# KiCad board QBusH723Z.kicad_pcb (continued)
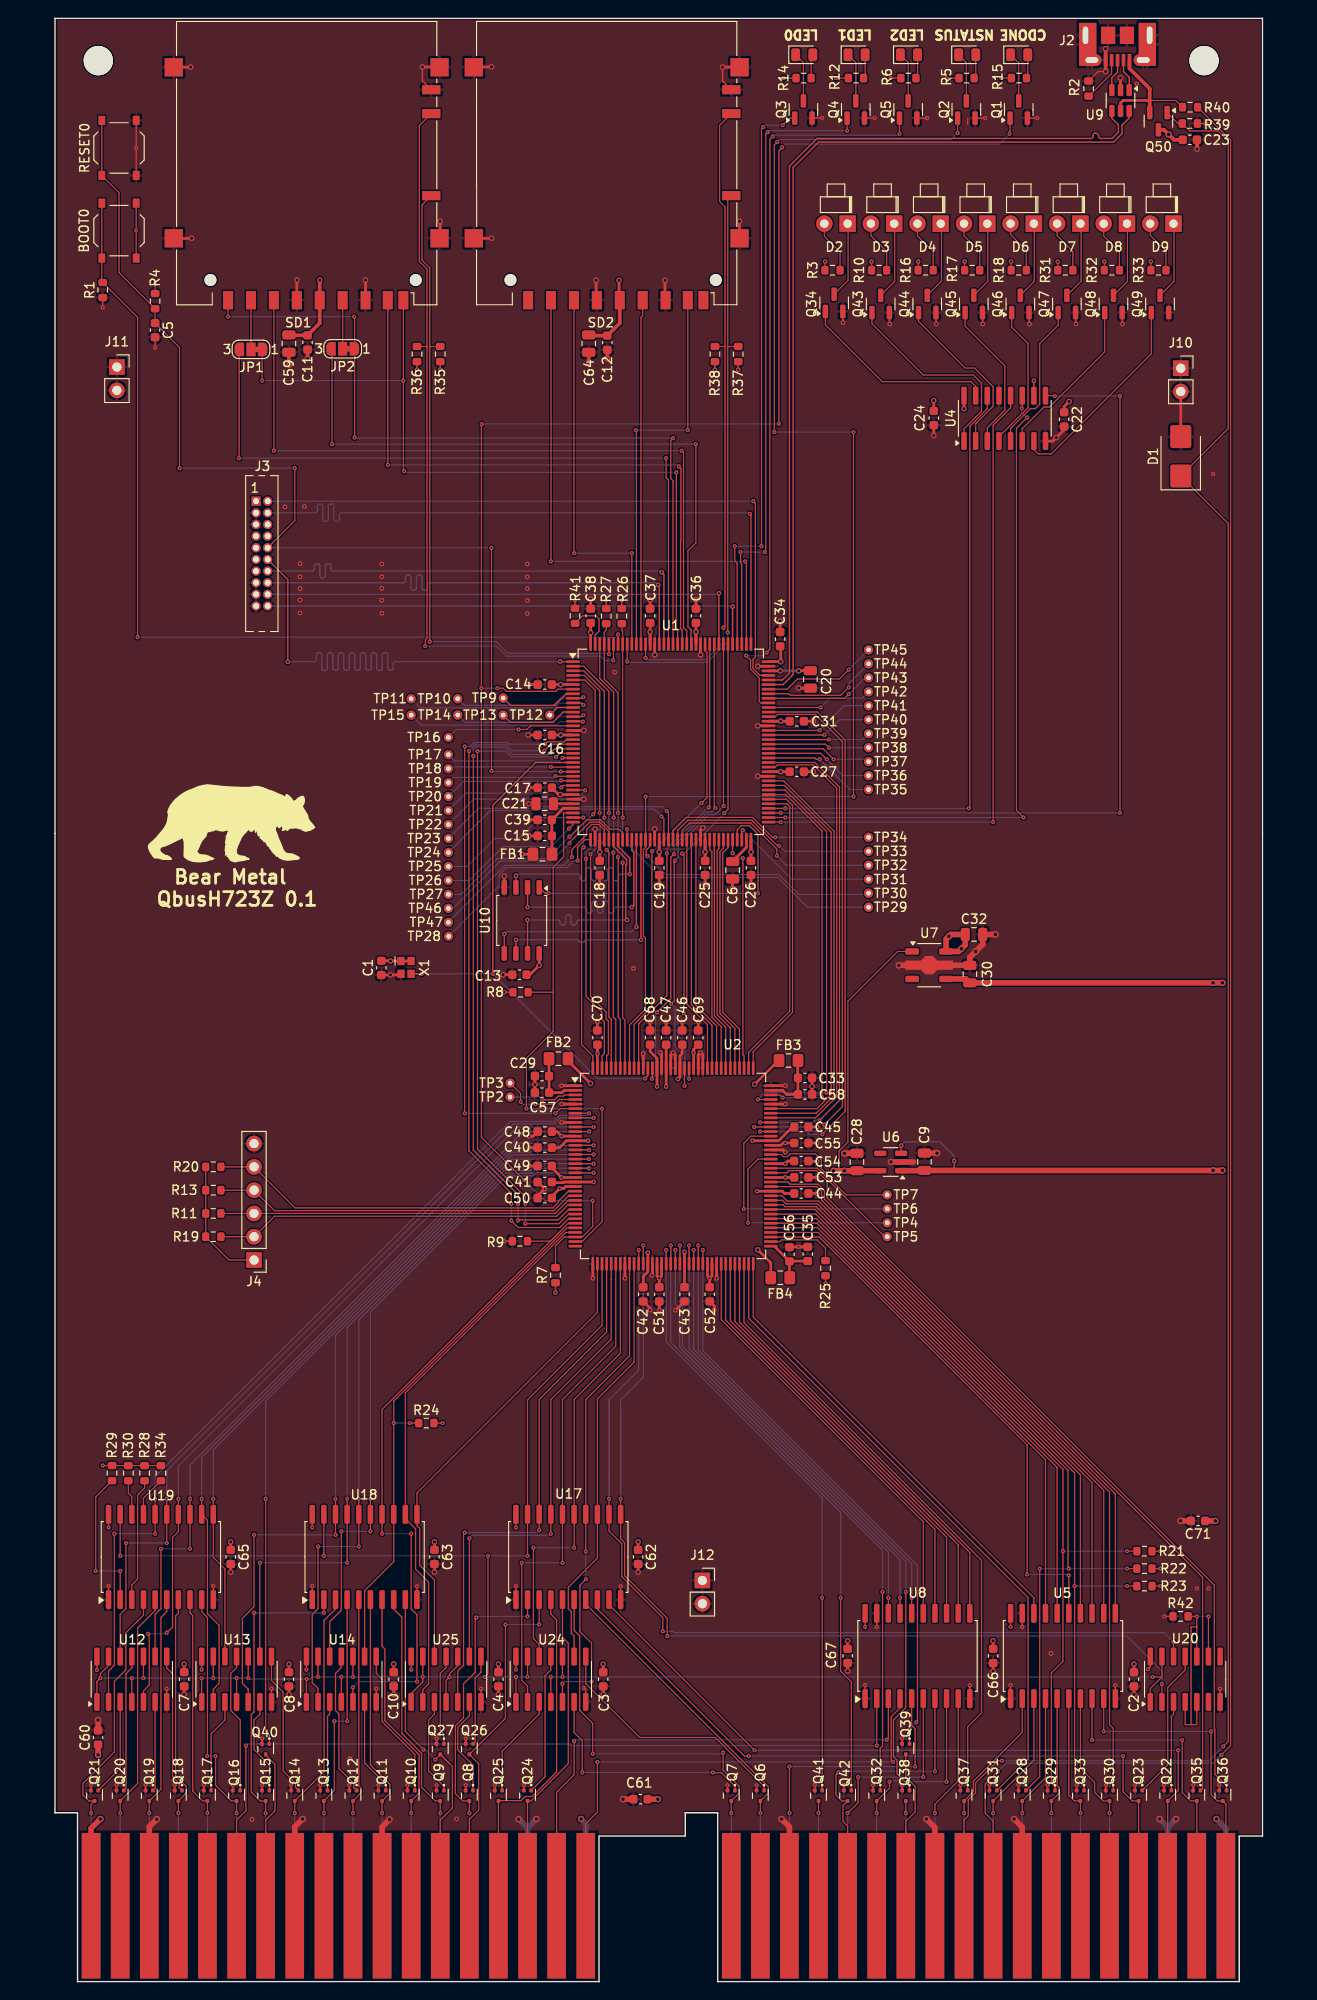
[diagram p0: board, top side]
## Routing (per net, layer and track width the routed paths; a pad name or vN(x,y) marks a point on that pad's centre or on a via; arc(x,y) is an arc through that point) (continued)
/A16: length 45.9
  Top w0.127: v3(76.69,96.21) U2.105 ; v3(84.19,96.96) 84.19,125.44 79.66,129.96 U1.80
  Bottom w0.127: v3(84.19,96.96) 77.44,96.96 v3(76.69,96.21)
/A17: length 44.8
  Top w0.127: U2.103 83.12,95.21 84.69,96.78 84.69,125.37 79.59,130.46 U1.81
/A18: length 45.9
  Top w0.127: U1.82 79.53,130.96 84.99,125.5 84.99,96.65 83.05,94.71 U2.102
/A19: length 46.4
  Top w0.127: U2.140 60.69,104.96 60.44,105.21 60.44,123.17 v3(60.2,123.41) ; U1.2 57.69,143.46 60.44,140.71 v3(60.44,127.47)
  Bottom w0.127: v3(60.44,127.47) 60.44,123.64 v3(60.2,123.41)
/A20: length 46.9
  Top w0.127: U2.141 60.19,100.96 60.38,101.16 60.38,104.77 60.13,105.02 60.13,105.77 58.44,107.46 v3(58.44,122.96) ; U1.3 57.69,142.96 59.94,140.71 v3(59.94,126.96)
  Bottom w0.127: v3(59.94,126.96) 59.94,124.47 58.44,122.97 v3(58.44,122.96)
/A21: length 46.3
  Top w0.127: v3(59.44,127.47) 59.44,140.78 57.76,142.46 U1.4 ; v3(57.94,122.46) 57.94,107.46 59.69,105.71 59.69,104.96 59.94,104.71 59.94,101.21 59.69,100.96 U2.142
  Bottom w0.127: v3(59.44,127.47) 59.44,125.97 59.47,125.93 59.47,124.68 57.94,123.14 v3(57.94,122.46)
/A22: length 45.2
  Top w0.127: U1.5 57.82,141.96 58.94,140.85 58.94,127.52 v3(58.72,127.31) ; U2.144 58.69,100.96 57.45,102.19 57.45,123.48 v3(57.69,123.71)
  Bottom w0.127: v3(57.69,123.71) 57.69,126.27 v3(58.72,127.31)
/BBS7f: length 48.2
  Top w0.127: 98.55,40.2 98.55,47.63 74.19,71.99 74.19,78.29
/BBS7g: length 69.9
  Top w0.127: 90.04,20.88 90.04,25.44 90.3,25.7 v3(90.3,42.51) ; U2.55 v3(67.69,79.8)
  Bottom w0.127: v3(67.69,79.8) 67.69,73.92 68.17,73.44 68.17,69.18 90.3,47.05 v3(90.3,42.51)
/BBS7L: length 29.5
  Top w0.127: v3(89.66,18.38) Q32.3 91.06,21.1 v3(91.06,21.81) ; U8.8 v3(97.28,21.81)
  Bottom w0.127: v3(91.06,21.81) 91.16,21.91 92.64,21.91 92.74,21.81 v3(97.28,21.81) ; 89.66,8.28 v3(89.66,18.38)
/BDAL0f: length 45.8
  Top w0.127: U17.13 59.18,46.19 56.01,43.01 56.01,40.68 56.33,40.35 56.33,37.99 56.64,37.68 56.64,35.46 ; U2.46 63.19,67.57 59.18,63.56 59.18,51.25
/BDAL0g: length 27.5
  Top w0.127: Q6.1 77.36,21.31 72.04,26.63 63.78,26.63 57.91,32.5 57.91,35.46
/BDAL0L: length 41.5
  Top w0.127: v3(76.96,18.38) Q6.3 77.83,20.57 77.83,21.28 57.91,41.19
  Bottom w0.127: J1.AU2 v3(76.96,18.38)
/BDAL1f: length 53.3
  Top w0.127: 57.91,51.25 57.91,63.49 62.69,68.26 U2.45 ; v3(57.94,43.9) 57.28,43.24 57.28,38.19 58.55,36.92 v3(58.55,32.73) ; v3(57.91,46.9) U17.14 ; U24.5 v3(55.37,32.5)
  Bottom w0.127: v3(57.91,46.9) 57.91,43.93 v3(57.94,43.9) ; v3(55.37,32.5) 55.6,32.73 v3(58.55,32.73)
/BDAL1g: length 25.8
  Top w0.127: U24.6 56.64,27.19 57.53,26.3 v3(57.53,22.82) ; v3(71.75,22.82) 71.8,22.77 72.72,22.77 74.19,21.31 Q7.1
  Bottom w0.127: v3(57.53,22.82) v3(71.75,22.82)
/BDAL1L: length 49.7
  Top w0.127: U17.6 56.64,38.32 57.25,37.71 57.25,29.6 58.67,28.18 v3(58.67,24.85) ; v3(73.79,18.38) Q7.3 74.65,20.57 74.65,21.32 72.9,23.08 v3(72.9,24.98)
  Bottom w0.127: v3(72.9,24.98) 72.77,24.85 v3(58.67,24.85) ; J1.AV2 v3(73.79,18.38)
/BDAL2f: length 58.9
  Top w0.127: 52.83,51.25 52.83,63.49 60.19,70.84 U2.40 ; 52.83,50.97 v3(52.83,49.24) ; v3(44.7,48.98) 44.58,48.86 44.58,34.51 43.94,33.87 U25.5
  Bottom w0.127: v3(44.7,48.98) 52.58,48.98 v3(52.83,49.24)
/BDAL2g: length 10.9
  Top w0.127: 45.21,30.51 45.21,28.99 43.94,27.72 43.94,25.29 45.61,23.62 Q8.1
/BDAL2L: length 40.9
  Top w0.127: v3(45.21,18.38) Q8.3 44.49,19.71 43.69,20.51 43.69,27.9 44.58,28.79 44.58,32.47 45.85,33.74 45.85,39.59 v3(45.97,39.71) ; v3(51.56,39.84) U17.2
  Bottom w0.127: v3(45.97,39.71) 46.1,39.84 v3(51.56,39.84) ; J1.BE2 v3(45.21,18.38)
/BDAL3f: length 60.1
  Top w0.127: U2.33 55.72,81.71 38.23,64.22 38.23,51.25 ; U25.2 40.13,31.84 40.77,32.47 40.77,43.56 39.34,44.98 39.34,49.39 38.23,50.51
/BDAL3g: length 10.6
  Top w0.127: Q9.1 42.44,21.31 40.77,22.98 40.77,28.54 41.4,29.17 U25.3
/BDAL3L: length 35.8
  Top w0.127: v3(42.04,18.38) Q9.3 41.49,19.71 40,21.21 40,24.91 37.85,27.06 37.85,39.75 36.96,40.64 U18.8
  Bottom w0.127: J1.BF2 v3(42.04,18.38)
/BDAL4f: length 59.5
  Top w0.127: 33.78,35.46 33.78,42.65 36.96,45.82 U18.13 v3(36.96,60.92) 36.96,63.31 55.86,82.21 U2.32 ; R24.2 v3(38.74,60.92)
  Bottom w0.127: v3(38.74,60.92) v3(36.96,60.92)
/BDAL4g: length 16.3
  Top w0.127: 39.26,20.86 39.26,24.78 35.69,28.36 35.69,32.98 35.05,33.62 35.05,35.46
/BDAL4L: length 35.4
  Top w0.127: v3(38.86,18.38) Q10.3 39.73,20.57 39.73,24.75 35.99,28.48 35.99,36.28 35.69,36.59 U18.7
  Bottom w0.127: J1.BH2 v3(38.86,18.38)
/BDAL5f: length 75.1
  Top w0.127: U14.5 v3(32.51,32.09) ; U18.14 v3(35.69,48.86) ; R9.2 54.05,80.76 54.95,81.66 ; 54.95,81.66 35.69,62.4 35.69,51.12 ; 54.95,81.66 56,82.71 U2.31 ; v3(39.5,32.73) 39.5,40.02 38.86,40.65 v3(38.86,48.86)
  Bottom w0.127: v3(32.51,32.09) 33.15,32.73 v3(39.5,32.73) ; v3(35.69,48.86) v3(38.86,48.86)
/BDAL5g: length 10.6
  Top w0.127: U14.6 33.78,23.85 36.09,21.54 Q11.1
/BDAL5L: length 34.6
  Top w0.127: U18.6 34.42,23.65 36.55,21.51 36.55,20.57 Q11.3 v3(35.69,18.38)
  Bottom w0.127: J1.BJ2 v3(35.69,18.38)
/BDAL6f: length 73.8
  Top w0.127: 34.42,51.12 v3(34.42,52.67) ; 29.97,35.46 29.97,39.25 31.24,40.52 v3(31.24,49.11) ; U2.20 v3(58.77,88.21) ; U18.15 v3(34.42,49.11)
  Bottom w0.127: v3(34.42,52.67) 34.42,73.02 49.27,87.87 52.16,87.87 52.51,88.21 v3(58.77,88.21) ; v3(34.42,49.11) v3(31.24,49.11)
/BDAL6g: length 15.8
  Top w0.127: Q12.1 32.59,21.17 32.59,21.63 30.99,23.23 30.99,29.2 30.61,29.58 30.61,33.62 31.24,34.25 31.24,35.46
/BDAL6L: length 33.8
  Top w0.127: v3(32.51,18.38) Q12.3 ; 32.52,19.71 33.38,20.56 33.38,21.14 33.15,21.36 U18.5
  Bottom w0.127: J1.BK2 v3(32.51,18.38)
/BDAL7f: length 80
  Top w0.127: 33.15,51.12 v3(33.15,52.67) ; 28.7,30.51 28.7,31.97 28.07,32.6 28.07,40.04 28.7,40.68 v3(28.7,47.46) ; U2.19 v3(58.27,88.71) ; U18.16 v3(33.15,47.46)
  Bottom w0.127: v3(33.15,52.67) 33.15,72.18 49.14,88.17 52.04,88.17 52.58,88.71 v3(58.27,88.71) ; v3(33.15,47.46) v3(28.7,47.46)
/BDAL7g: length 9.7
  Top w0.127: Q13.1 29.74,28.94 29.97,29.17 U14.3
/BDAL7L: length 35.3
  Top w0.127: v3(29.34,18.38) Q13.3 30.48,20.85 v3(30.48,28.41) ; v3(31.88,28.41) U18.4
  Bottom w0.127: J1.BL2 v3(29.34,18.38) ; v3(31.88,28.41) v3(30.48,28.41)
/BDAL8f: length 81.6
  Top w0.127: U18.17 v3(31.88,45.68) ; 22.35,35.46 v3(22.35,45.68) ; U2.18 v3(58.77,89.21) ; 31.88,51.12 v3(31.88,52.67)
  Bottom w0.127: v3(31.88,45.68) v3(22.35,45.68) ; v3(58.77,89.21) 52.64,89.21 51.91,88.48 49.02,88.48 31.88,71.34 v3(31.88,52.67)
/BDAL8g: length 15.8
  Top w0.127: 23.62,35.46 23.62,32.85 24.89,31.58 24.89,22.98 26.24,21.63 26.24,21.17 Q14.1
/BDAL8L: length 35.2
  Top w0.127: v3(26.16,18.38) Q14.3 29.35,22.9 29.35,39.39 30.61,40.64 U18.3
  Bottom w0.127: 26.16,8.28 v3(26.16,18.38)
/BDAL9f: length 86.6
  Top w0.127: 30.61,51.12 v3(30.61,52.67) ; U2.17 v3(58.27,89.71) ; U13.5 21.08,31.89 20.45,32.52 20.45,39.63 21.72,40.9 v3(21.72,48.73) ; U18.18 v3(30.61,48.73)
  Bottom w0.127: v3(58.27,89.71) 49.82,89.71 30.61,70.5 v3(30.61,52.67) ; v3(21.72,48.73) v3(30.61,48.73)
/BDAL9g: length 10.6
  Top w0.127: Q15.1 23.39,23.64 21.72,25.31 21.72,28.54 22.35,29.17 U13.6
/BDAL9L: length 42.1
  Top w0.127: v3(21.72,40.22) 21.72,29.41 21.41,29.11 21.41,20.69 22.39,19.71 Q15.3 v3(22.99,18.38) ; v3(29.34,40.22) U18.2
  Bottom w0.127: v3(21.72,40.22) v3(29.34,40.22) ; J1.BN2 v3(22.99,18.38)
/BDAL10f: length 79.1
  Top w0.127: v3(17.27,52.67) U19.11 17.27,46.27 18.54,45 18.54,35.46 ; U2.15 v3(58.27,90.71)
  Bottom w0.127: v3(17.27,52.67) 17.27,58.03 49.72,90.48 51.91,90.48 52.14,90.71 v3(58.27,90.71)
/BDAL10g: length 15.3
  Top w0.127: 19.81,35.46 19.81,34.25 19.18,33.62 19.18,29.58 20.21,28.54 Q16.1
/BDAL10L: length 35.9
  Top w0.127: v3(16.6,24.6) 16.64,24.64 16.64,39.71 16,40.35 U19.9 ; v3(17.53,24.6) 17.53,21.42 19.24,19.71 Q16.3 v3(19.81,18.38)
  Bottom w0.127: J1.BP2 v3(19.81,18.38) ; v3(16.6,24.6) v3(17.53,24.6)
/BDAL11f: length 86.6
  Top w0.127: U13.2 17.27,31.89 17.91,32.52 17.91,38.87 16.64,40.14 16.64,50.33 U19.12 ; 16,51.14 v3(16,52.67) ; U2.14 v3(58.77,91.21)
  Bottom w0.127: v3(58.77,91.21) 53.91,91.21 53.68,91.44 50.26,91.44 16,57.19 v3(16,52.67)
/BDAL11g: length 10.3
  Top w0.127: Q17.1 17.04,27.03 18.54,28.54 U13.3
/BDAL11L: length 34.5
  Top w0.127: U19.8 14.73,40.22 15.03,39.92 15.03,20.79 16.12,19.71 Q17.3 v3(16.64,18.38)
  Bottom w0.127: J1.BR2 v3(16.64,18.38)
/BDAL12f: length 84.4
  Top w0.127: U19.13 v3(14.73,47.21) ; 10.92,35.46 10.92,40.04 11.56,40.68 v3(11.56,47.21) ; 14.73,51.02 v3(14.73,52.67) ; U2.11 v3(58.27,92.71)
  Bottom w0.127: v3(58.27,92.71) 51.09,92.71 14.73,56.35 v3(14.73,52.67) ; v3(14.73,47.21) v3(11.56,47.21)
/BDAL12g: length 15.3
  Top w0.127: Q18.1 13.54,21.17 13.54,21.65 12.83,22.36 12.83,33.57 12.19,34.2 12.19,35.46
/BDAL12L: length 34.4
  Top w0.127: v3(13.46,18.38) Q18.3 14.33,20.57 14.33,21.3 13.16,22.46 13.16,39.88 13.46,40.18 U19.7
  Bottom w0.127: J1.BS2 v3(13.46,18.38)
/BDAL13f: length 91.1
  Top w0.127: v3(12.19,38.06) 12.83,38.7 12.83,48.46 13.46,49.09 U19.14 ; v3(10.16,37.93) 10.29,37.81 10.29,32.35 9.65,31.71 U12.5 ; U2.10 v3(58.77,93.21) ; 13.46,51.02 v3(13.46,52.67)
  Bottom w0.127: v3(12.19,38.06) 12.06,37.93 v3(10.16,37.93) ; v3(13.46,52.67) 13.46,56.22 50.45,93.21 v3(58.77,93.21)
/BDAL13g: length 9.7
  Top w0.127: Q19.1 10.92,21.09 U12.6
/BDAL13L: length 34.2
  Top w0.127: v3(10.29,18.38) Q19.3 11.56,20.98 11.56,39.71 12.19,40.35 U19.6
  Bottom w0.127: J1.BT2 v3(10.29,18.38)
/BDAL14f: length 89.4
  Top w0.127: v3(7.75,47.84) 7.75,40.68 7.11,40.04 7.11,35.46 ; U2.8 v3(58.77,94.21) ; U19.15 v3(12.19,47.84) ; 12.19,51.02 v3(12.19,52.67)
  Bottom w0.127: v3(58.77,94.21) 55.15,94.21 54.49,93.56 50.04,93.56 12.19,55.71 v3(12.19,52.67) ; v3(12.19,47.84) v3(7.75,47.84)
/BDAL14g: length 15
  Top w0.127: 8.38,35.46 8.38,34.23 7.75,33.59 7.75,21.09 Q20.1
/BDAL14L: length 35
  Top w0.127: v3(7.11,18.38) Q20.3 9.02,21.61 9.02,38.57 10.92,40.47 10.92,41.67
  Bottom w0.127: J1.BU2 v3(7.11,18.38)
/BDAL15f: length 94.5
  Top w0.127: U2.7 v3(58.27,94.71) ; U12.2 5.84,33.87 6.48,34.51 v3(6.48,48.86) ; 10.92,51.02 v3(10.92,52.67) ; 10.92,50.97 v3(10.92,48.86)
  Bottom w0.127: v3(58.27,94.71) 58.03,94.47 55.04,94.47 54.39,93.81 49.66,93.81 10.92,55.08 v3(10.92,52.67) ; v3(6.48,48.86) v3(10.92,48.86)
/BDAL15g: length 10.6
  Top w0.127: 7.11,30.51 7.11,23.25 Q21.1
/BDAL15L: length 37.2
  Top w0.127: U19.4 9.65,39.97 7.73,38.05 7.73,34.01 6.48,32.75 6.48,25.06 3.05,21.63 3.05,20.36 3.7,19.71 Q21.3 3.94,19.33 v3(3.94,18.38)
  Bottom w0.127: v3(3.94,18.38) J1.BV2
/BDAL16f: length 116
  Top w0.127: v3(66.8,37.68) 66.8,39.64 62.15,44.28 62.15,47.87 61.72,48.31 U17.11 ; 61.72,51.2 v3(61.72,52.67) ; U2.48 v3(64.19,80.3) ; U20.2 v3(120.78,32.47)
  Bottom w0.127: v3(64.19,80.3) 64.19,65.9 61.72,63.44 61.72,62.19 ; v3(120.78,32.47) 120.78,33.87 116.94,37.71 66.83,37.71 v3(66.8,37.68) ; 61.72,62.19 v3(61.72,52.67) 61.72,62.19
/BDAL16g: length 9.7
  Top w0.127: U20.3 122.05,29.17 121.81,28.94 Q22.1
/BDAL16L: length 86.1
  Top w0.127: J1.AC1 Q22.3 122.56,20.85 v3(122.56,25.23) ; v3(76.33,25.23) 60.45,41.11
  Bottom w0.127: v3(122.56,25.23) v3(76.33,25.23)
/BDAL17f: length 115
  Top w0.127: 60.45,51.37 v3(60.45,52.67) ; U2.47 v3(63.69,79.8) ; U17.12 60.45,49.14 61.85,47.75 61.85,44.16 66.32,39.69 v3(66.32,38.21) ; v3(122.05,37.05) 122.05,35.46
  Bottom w0.127: 60.45,63.46 v3(60.45,52.67) 60.45,63.46 ; 60.45,63.46 63.69,66.7 v3(63.69,79.8) ; v3(122.05,37.05) 121.03,38.06 67.61,38.06 67.46,38.21 v3(66.32,38.21)
/BDAL17g: length 16.5
  Top w0.127: 123.32,35.46 123.32,34 121.41,32.09 121.41,23.63 Q23.1
/BDAL17L: length 82.5
  Top w0.127: v3(116.54,24.6) 116.54,20.71 117.54,19.71 Q23.3 J1.AD1 ; v3(75.69,24.6) 75.22,24.6 59.18,40.64 U17.8
  Bottom w0.127: v3(116.54,24.6) v3(75.69,24.6)
/BDAL18f: length 49.6
  Top w0.127: v3(56.64,47.33) U17.15 56.64,63.49 61.69,68.53 U2.43 ; v3(52.2,47.33) 52.2,37.43 52.83,36.79 52.83,35.46
  Bottom w0.127: v3(56.64,47.33) v3(52.2,47.33)
/BDAL18g: length 15.5
  Top w0.127: Q24.1 53.47,22.36 53.47,33.36 54.1,34 54.1,35.46
/BDAL18L: length 35.7
  Top w0.127: U17.5 55.37,37.55 56.01,36.92 56.01,23.78 51.94,19.71 Q24.3 J1.BC1
/BDAL19f: length 54.6
  Top w0.127: v3(50.93,45.68) 50.93,32.85 51.56,32.22 U24.2 ; U17.16 v3(55.37,45.68) ; U2.42 61.19,69.3 55.37,63.49 55.37,51.25
  Bottom w0.127: v3(55.37,45.68) v3(50.93,45.68)
/BDAL19g: length 11.3
  Top w0.127: Q25.1 48.79,25.13 52.83,29.17 52.83,30.51
/BDAL19L: length 38.1
  Top w0.127: Q25.3 J1.BD1 ; U17.4 54.1,40.09 54.74,39.46 54.74,22.87 52.06,20.2 51.31,20.2 50.86,19.75 48.43,19.75
/BDAL20f: length 53.9
  Top w0.127: U17.17 v3(54.1,48.86) ; 45.21,35.46 v3(45.21,48.35) ; U2.41 60.69,76.57 60.7,76.55 60.69,76.53 60.69,70.07 54.1,63.49 54.1,51.25
  Bottom w0.127: v3(54.1,48.86) 53.92,48.68 45.54,48.68 v3(45.21,48.35)
/BDAL20g: length 9.9
  Top w0.127: 46.48,35.46 46.48,33.74 45.85,33.11 45.85,26.17 Q26.1
/BDAL20L: length 39.5
  Top w0.127: J1.BE1 45.21,17.69 46.23,18.71 46.23,23.77 45.21,24.79 49.15,28.72 v3(49.15,38.95) ; v3(52.83,38.95) 52.83,41.67
  Bottom w0.127: v3(52.83,38.95) v3(49.15,38.95)
/BDAL21f: length 51.7
  Top w0.127: 41.4,35.46 41.4,43.83 39.8,45.43 39.8,49.45 39.5,49.75 U18.11 ; U2.38 59.19,72.99 39.5,53.3 39.5,51.07
/BDAL21g: length 9.9
  Top w0.127: 42.42,25.96 42.42,27.04 42.04,27.42 42.04,33.62 42.67,34.25 42.67,35.46
/BDAL21L: length 38.7
  Top w0.127: v3(41.5,24.22) 42.05,24.77 43.05,23.77 ; U18.9 38.23,27.3 v3(40.23,25.3) ; 43.05,23.77 42.04,24.79 ; 43.05,23.77 43.36,23.47 43.36,18.94 42.04,17.61 J1.BF1
  Bottom w0.127: v3(40.23,25.3) 40.42,25.3 v3(41.5,24.22)
/BDCOK: length 55.9
  Top w0.127: J1.BA1 57.91,17.23 59.18,18.5 v3(59.18,23.96) ; U8.4 92.2,29.85 91.24,28.88 91.24,24.17 v3(91.44,23.96)
  Bottom w0.127: v3(91.44,23.96) v3(59.18,23.96)
/BDCOKf: length 51.9
  Top w0.127: v3(93.47,41.87) 93.47,40.07 ; U2.60 v3(70.19,80.3)
  Bottom w0.127: v3(70.19,80.3) 70.19,68.89 93.47,45.6 v3(93.47,41.87)
/BDINf: length 60.2
  Top w0.127: U2.75 83.39,81.21 106.07,58.53 v3(106.07,44.41) ; v3(110.62,44.31) U5.15
  Bottom w0.127: v3(110.62,44.31) 110.52,44.41 v3(106.07,44.41)
/BDINg: length 86.7
  Top w0.127: 109.11,20.86 109.11,21.25 108.71,21.65 108.71,33.67 109.98,34.94 v3(109.98,46.95) 109.98,55.88 83.15,82.72 78.13,82.72 ; R21.2 v3(116.97,46.95)
  Bottom w0.127: v3(116.97,46.95) v3(109.98,46.95)
/BDINL: length 23
  Top w0.127: U5.5 109.35,21.37 109.58,21.15 109.58,20.57 Q29.3 v3(108.71,18.38)
  Bottom w0.127: J1.AH2 v3(108.71,18.38)
/BDMGIf: length 47.7
  Top w0.127: 73.18,78.29 73.18,72.15 96.01,49.31 96.01,40.07
/BDMGIL: length 30.2
  Top w0.127: U8.6 v3(94.74,22.31) ; v3(86.49,18.38) 87.63,19.52 v3(87.63,22.31)
  Bottom w0.127: v3(87.63,22.31) v3(94.74,22.31) ; v3(86.49,18.38) J1.AR2
/BDMGOg: length 67.5
  Top w0.127: Q41.1 83.71,41.85 v3(83.69,41.87) ; U2.53 v3(66.69,79.8)
  Bottom w0.127: v3(66.69,79.8) 66.69,69.8 83.71,52.77 83.71,41.89 v3(83.69,41.87)
/BDMGOL: length 11.2
  Top w0.127: v3(83.31,18.38) 83.31,19.52
  Bottom w0.127: J1.AS2 v3(83.31,18.38)
/BDMRg: length 65.4
  Top w0.127: v3(93.98,28.28) 94.11,28.41 v3(94.11,42.51) ; v3(93.22,27.52) 93.24,27.5 Q39.1 ; U2.61 v3(70.69,79.8)
  Bottom w0.127: v3(94.11,42.51) 94.11,45.4 70.69,68.82 v3(70.69,79.8) ; v3(93.22,27.52) v3(93.98,28.28)
/BDMRL: length 17.3
  Top w0.127: 92.84,24.79 92.84,22.31 93.85,21.3 93.85,18.5 92.84,17.49 J1.AN1
/BDOUTf: length 61.6
  Top w0.127: 113.16,40.32 113.16,54.43 83.07,84.52 79.64,84.52 79.44,84.72 78.24,84.72
/BDOUTg: length 83
  Top w0.127: U2.84 79.31,85.71 79.9,85.13 83.32,85.13 115.06,53.39 115.06,28.03 115.46,27.63 Q30.1
/BDOUTL: length 24.3
  Top w0.127: v3(115.06,18.38) Q30.3 114.37,19.71 113.44,20.64 113.44,21.73 111.89,23.28 U5.7
  Bottom w0.127: J1.AE2 v3(115.06,18.38)
/BIAKIf: length 48.5
  Top w0.127: U2.69 74.69,71.93 99.82,46.79 U8.11
/BIAKIL: length 23.6
  Top w0.127: U8.9 98.55,21.89 96.01,19.35 v3(96.01,18.38)
  Bottom w0.127: v3(96.01,18.38) J1.AM2
/BIAKOg: length 71.3
  Top w0.127: U2.59 v3(69.69,79.8) ; Q38.1 93.24,21.31 91.88,22.67 91.88,24.15 91.49,24.54 91.49,28.54 92.84,29.88 v3(92.84,42.51)
  Bottom w0.127: v3(69.69,79.8) 69.69,68.96 92.84,45.81 v3(92.84,42.51)
/BIAKOL: length 11.4
  Top w0.127: Q38.3 v3(92.84,18.38)
  Bottom w0.127: J1.AN2 v3(92.84,18.38)
/BINITf: length 47.3
  Top w0.127: 72.69,78.26 72.69,72.2 94.74,50.15 94.74,40.07
/BINITL: length 36.5
  Top w0.127: v3(93.85,23.46) 93.85,27.57 93.47,27.95 U8.5 ; v3(80.14,23.46) v3(80.14,18.38)
  Bottom w0.127: v3(80.14,23.46) v3(93.85,23.46) ; v3(80.14,18.38) J1.AT2
/BIRQ4f: length 50.7
  Top w0.127: U5.18 106.81,41.87 76.19,72.49 76.19,78.22
/BIRQ4g: length 68.8
  Top w0.127: Q37.1 99.59,27.79 101.09,29.3 101.09,45.96 75.19,71.86 U2.70
/BIRQ4L: length 25.2
  Top w0.127: v3(99.19,18.38) Q37.3 100.2,20.72 100.2,21.86 105.54,27.19 U5.2
  Bottom w0.127: J1.AL2 v3(99.19,18.38)
/BIRQ5f: length 64.9
  Top w0.127: 115.7,40.27 115.7,53.18 83.64,85.23 83.64,86.16 83.09,86.71 U2.86
/BIRQ5g: length 91.2
  Top w0.127: Q36.1 127.83,21.36 126.55,22.63 126.55,27.47 126.49,27.53 126.49,43.25 84.25,85.49 84.25,87.3 83.1,88.46 80.09,88.46 79.84,88.21 U2.89
/BIRQ5L: length 35.3
  Top w0.127: U5.9 v3(114.43,27.29) ; v3(126.14,27.29) 126.14,20.41 126.84,19.71 Q36.3 127.76,19.38 J1.AA1
  Bottom w0.127: v3(126.14,27.29) v3(114.43,27.29)
/BIRQ6f: length 62.6
  Top w0.127: 114.43,40.45 114.43,53.59 83.19,84.82 79.77,84.82 79.38,85.21 U2.83
/BIRQ6g: length 88.9
  Top w0.127: Q35.1 125.22,21.09 125.22,44.09 83.95,85.36 83.95,86.29 83.27,86.97 80.2,86.97 79.96,87.21 U2.87
/BIRQ6L: length 33.5
  Top w0.127: J1.AB1 Q35.3 123.92,19.71 123,20.63 123,26.34 v3(122.99,26.35) ; v3(113.16,26.35) U5.8
  Bottom w0.127: v3(122.99,26.35) v3(113.16,26.35)
/BIRQ7f: length 51.5
  Top w0.127: U2.56 v3(68.19,80.3) ; v3(90.93,41.87) 90.93,40.17
  Bottom w0.127: v3(90.93,41.87) 90.93,46.85 68.47,69.31 68.47,73.56 68.19,73.85 v3(68.19,80.3)
/BIRQ7L: length 92
  Top w0.127: v3(20.83,25.74) 20.83,18.63 19.81,17.61 J1.BP1 ; U8.2 v3(89.66,25.74)
  Bottom w0.127: v3(89.66,25.74) 56.26,25.74 56.08,25.92 21.01,25.92 v3(20.83,25.74)
/BOOT0: length 102.6
  Top w0.127: v3(61.44,146.93) U1.138 ; BOOT0.2 BOOT0.2 5.11,185.41 R1.2 9.02,181.51 v3(9.02,146.65)
  Bottom w0.127: v3(61.44,146.93) 61.13,146.63 9.04,146.63 v3(9.02,146.65)
/BPOK: length 57.5
  Top w0.127: v3(56.64,26.25) 56.64,22.57 54.74,20.66 J1.BB1 ; 90.93,30.87 90.93,26.56 v3(90.75,26.38)
  Bottom w0.127: v3(56.64,26.25) 56.77,26.38 v3(90.75,26.38)
/BPOKf: length 51.8
  Top w0.127: U2.58 v3(69.19,80.3) ; 92.2,40.07 v3(92.2,41.87)
  Bottom w0.127: v3(69.19,80.3) 69.19,69.02 92.2,46.01 v3(92.2,41.87)
/BREFf: length 48
  Top w0.127: 73.69,78.3 73.69,72.07 97.28,48.47 97.28,40.07
/BREFg: length 69.6
  Top w0.127: U2.54 v3(67.19,80.3) ; Q42.1 86.89,32.71 85.73,33.87 v3(85.73,41.87)
  Bottom w0.127: v3(67.19,80.3) 67.19,69.73 85.73,51.19 v3(85.73,41.87)
/BREFL: length 34.5
  Top w0.127: v3(85.47,22.82) 85.22,22.57 85.22,20.36 85.87,19.71 Q42.3 85.98,19.2 85.98,17.49 86.49,16.98 J1.AR1 ; U8.7 v3(96.01,22.95)
  Bottom w0.127: v3(96.01,22.95) 85.6,22.95 v3(85.47,22.82)
/BRPLYf: length 60.7
  Top w0.127: 111.89,40.32 111.89,55.27 82.94,84.21 78.1,84.21
/BRPLYg: length 86.6
  Top w0.127: 78.14,83.71 83.02,83.71 111.25,55.47 v3(111.25,43.14) 111.25,22.35 112.29,21.31 Q33.1 ; R23.2 v3(116.97,43.14)
  Bottom w0.127: v3(116.97,43.14) v3(111.25,43.14)
/BRPLYL: length 23.5
  Top w0.127: U5.6 110.62,20.33 111.24,19.71 Q33.3 v3(111.89,18.38)
  Bottom w0.127: J1.AF2 v3(111.89,18.38)
/BSACKg: length 86.5
  Top w0.127: v3(22.99,52.67) 22.99,27.32 23.39,26.92 Q40.1 ; U2.16 v3(58.77,90.21)
  Bottom w0.127: v3(22.99,52.67) 22.99,63.31 49.85,90.17 52.04,90.17 52.08,90.21 v3(58.77,90.21)
/BSACKL: length 17.3
  Top w0.127: 22.99,24.73 24,23.71 24,18.63 22.99,17.61 J1.BN1
/BSYNCf: length 58
  Top w0.127: U5.16 109.35,56.08 83.95,81.48 83.21,82.22 78.11,82.22
/BSYNCg: length 90
  Top w0.127: v3(110.62,45.05) 110.53,45.13 110.53,55.76 83.07,83.22 78.12,83.22 ; v3(116.97,45.05) R22.2 ; v3(107.44,45.05) 107.44,22.36 Q28.1
  Bottom w0.127: v3(107.44,45.05) v3(110.62,45.05) v3(116.97,45.05)
/BSYNCL: length 23.6
  Top w0.127: v3(105.54,18.38) Q28.3 108.08,22.25 U5.4
  Bottom w0.127: J1.AJ2 v3(105.54,18.38)
/BWTBTf: length 56.8
  Top w0.127: U2.76 83.29,81.71 108.08,56.92 108.08,40.32
/BWTBTg: length 71.5
  Top w0.127: 75.69,78.29 75.69,72.35 106.17,41.87 106.17,24.27 Q31.1
/BWTBTL: length 24.4
  Top w0.127: U5.3 106.81,24.15 Q31.3 v3(102.36,18.38)
  Bottom w0.127: J1.AK2 v3(102.36,18.38)
/CARD_DETECT_1: length 71.8
  Top w0.127: v3(40.89,146.15) 40.89,178.27 ; 40.89,178.27 40.89,186.91 40.06,187.74 40.06,193.78 SD1.10 ; 40.89,178.27 40.96,178.33 R35.1 ; v3(60.45,144.79) 60.44,144.8 U1.140
  Bottom w0.127: v3(60.45,144.79) 60.37,144.87 49.4,144.87 48.13,146.15 v3(40.89,146.15)
/CARD_DETECT_2: length 63.3
  Top w0.127: 73.41,178.27 73.47,178.33 R37.1 ; 73.41,178.27 v3(73.41,147.15) ; 73.41,178.27 73.41,194.39 ; v3(62.44,143.98) U1.136
  Bottom w0.127: v3(73.41,147.15) 73.41,146.14 71.14,143.87 62.54,143.87 v3(62.44,143.98)
/CDONE: length 203.1
  Top w0.127: v3(48.26,141.06) 48.91,141.06 49.24,140.72 54.65,140.72 54.88,140.96 U1.7 ; v3(79.35,200.04) 78.99,199.68 v3(78.99,169.89) ; v3(51.21,87.41) 46.52,92.1 v3(46.52,141.06) 46.52,169.83 v3(46.56,169.86) ; v3(104.15,201.53) 104.21,201.58 Q1.1 ; v3(58.67,85.18) 58.67,82.37 57.51,81.21 U2.34 55.58,81.21 54.61,80.24 R7.2
  Bottom w0.127: v3(51.21,87.41) 53.44,85.18 v3(58.67,85.18) ; v3(104.15,201.53) 103.03,200.41 79.72,200.41 v3(79.35,200.04) ; v3(78.99,169.89) 46.58,169.89 v3(46.56,169.86) ; v3(48.26,141.06) v3(46.52,141.06)
/CLK_8MHz: length 60.6
  Top w0.127: U2.132 64.69,98.79 v3(64.39,98.49)
  Top w0.152: U1.23 52.44,132.96 47.78,128.3 v3(47.78,109.92) ; v3(40,109.91) X1.3
  Bottom w0.127: v3(40,109.91) 40.01,109.92 v3(47.78,109.92) 59.21,98.49 v3(64.39,98.49)
/CRESET_N: length 62.1
  Top w0.127: 54.36,107.91 54.36,121.53 55.5,122.67 55.5,127.46 U1.34 ; 54.36,107.91 54.36,103.63 51.44,100.71 v3(51.44,95.23) ; 54.36,107.91 R8.2 ; v3(59.69,95.21) 59.69,82.89 57.51,80.71 U2.35
  Bottom w0.127: v3(59.69,95.21) 51.45,95.21 v3(51.44,95.23)
/DA0: length 50.4
  Top w0.127: U1.85 78.59,132.46 78.83,132.7 82.75,132.7 85.3,130.16 85.3,96.53 82.98,94.21 U2.101
/DA1: length 53.8
  Top w0.127: 77.86,132.97 82.91,132.97 85.6,130.28 85.6,96.13 v3(83.44,93.96) ; v3(76.94,93.71) U2.100
  Bottom w0.127: v3(83.44,93.96) 82.94,93.96 82.69,93.71 v3(76.94,93.71)
/DA2: length 51.6
  Top w0.127: v3(69.19,98.46) U2.123 ; v3(68.61,105.63) 68.63,105.65 68.63,122.83 v3(68.44,123.02) ; v3(73.03,127.44) 73.44,127.85 U1.114
  Bottom w0.127: v3(68.44,123.02) 68.66,123.02 73.03,127.4 v3(73.03,127.44) ; v3(68.61,105.63) 67.95,104.97 67.95,103.19 68.73,102.42 68.73,98.92 v3(69.19,98.46)
/DA3: length 53.5
  Top w0.127: v3(67.67,122.26) 67.56,122.16 67.56,106.97 v3(67.24,106.64) ; v3(68.7,97.7) 68.69,97.71 U2.124 ; v3(72.95,128.21) 72.94,128.22 U1.115
  Bottom w0.127: v3(67.67,122.26) 68,122.59 68,123.91 71.35,127.27 72.01,127.27 v3(72.95,128.21) ; v3(67.24,106.64) 67.65,106.23 67.65,102 68.43,101.22 68.43,98.57 68.7,98.3 v3(68.7,97.7)
/DA4: length 25.9
  Top w0.127: U1.58 68.94,106.62 71.19,104.37 U2.119
/DA5: length 25.9
  Top w0.127: U2.118 71.69,104.3 69.44,106.55 U1.59
/DA6: length 25.9
  Top w0.127: U2.117 72.19,104.23 69.94,106.48 U1.60
/DA7: length 25.4
  Top w0.127: U2.116 72.69,104.16 71.68,105.17 71.68,123.22 71.44,123.46 U1.63
/DA8: length 25.4
  Top w0.127: U1.64 71.94,123.4 71.95,123.39 71.95,105.34 73.19,104.09 U2.115
/DA9: length 25.6
  Top w0.127: U1.65 72.44,123.55 72.25,123.36 72.25,105.46 73.69,104.03 U2.114
/DA10: length 25.8
  Top w0.127: U2.113 74.19,103.96 72.56,105.59 72.56,123.23 72.94,123.62 U1.66
/DA11: length 25.9
  Top w0.127: U2.112 74.69,103.89 72.86,105.71 72.86,123.11 73.44,123.69 U1.67
/DA12: length 25.8
  Top w0.127: v3(75.06,122.53) 75.06,101.09 75.19,100.96 U2.111 ; U1.68 v3(73.94,123.07)
  Bottom w0.127: v3(73.94,123.07) 74.47,122.53 v3(75.06,122.53)
/DA13: length 32.8
  Top w0.127: U2.110 75.69,101.36 80.17,105.84 80.17,128.16 79.87,128.46 U1.77
/DA14: length 33.3
  Top w0.127: U1.78 79.8,128.96 80.47,128.29 80.47,105.72 76.19,101.43 U2.109
/DA15: length 42.2
  Top w0.127: U1.79 79.73,129.46 83.69,125.51 v3(83.69,96.46) ; v3(79.39,96.43) 79.11,96.71 U2.106
  Bottom w0.127: v3(83.69,96.46) 83.65,96.43 v3(79.39,96.43)
/F_TCK: length 39.3
  Top w0.127: R11.2 J4.3 54.58,83.78 56.01,85.21 U2.26
/F_TDI: length 40.1
  Top w0.127: U2.27 55.97,84.71 54.74,83.48 23.95,83.48 J4.2 R19.2
/F_TDO: length 41.4
  Top w0.127: U2.24 56.02,86.21 54.93,85.11 54.93,85 54.32,84.39 26.19,84.39 J4.5 R20.2
/F_TMS: length 40.3
  Top w0.127: R13.2 J4.4 23.95,84.09 54.43,84.09 56.06,85.71 U2.25
/FMC_CLK: length 51.8
  Top w0.127: U2.131 65.19,98.71 65.13,98.65 v3(65.13,98.46) ; v3(72.06,128) 71.94,128.13 U1.117 ; v3(67.54,122.97) 67.19,122.62 67.19,107.21 v3(65.69,105.71)
  Bottom w0.127: v3(65.13,98.46) 65.53,98.87 65.53,105.56 v3(65.69,105.71) ; v3(72.06,128) 71.63,127.57 71.22,127.57 67.54,123.89 v3(67.54,122.97)